# KiCad board board.kicad_pcb (continued)
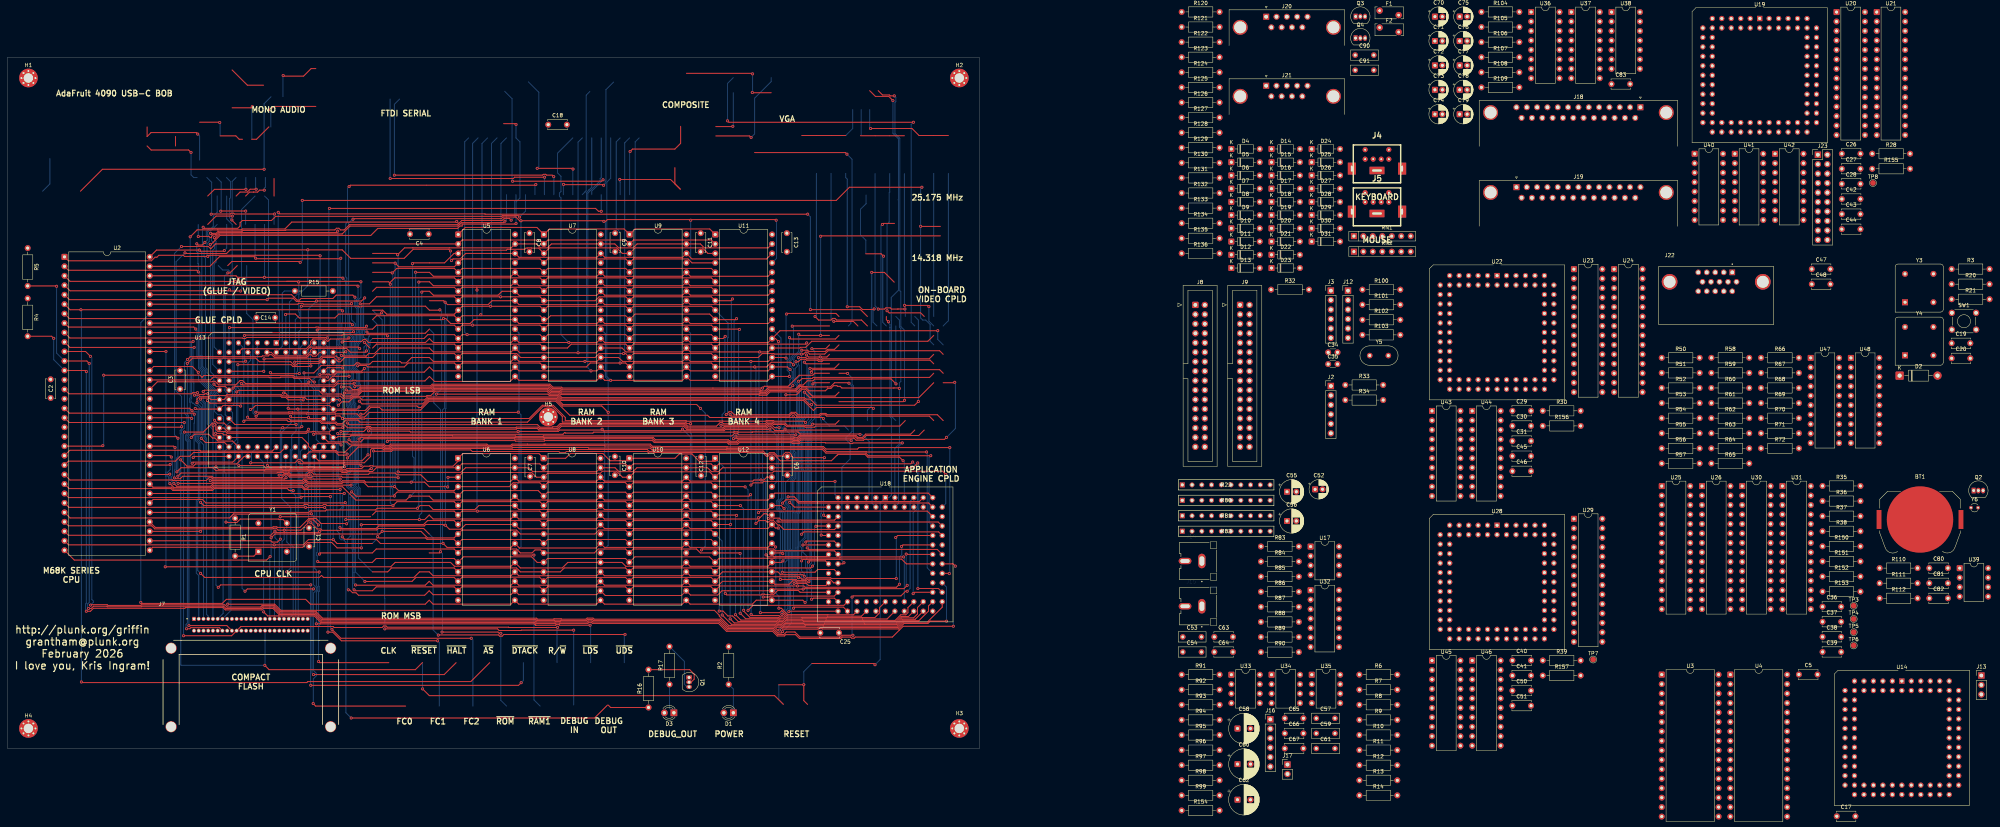
[diagram p0: board, top side]
## Nets (continued)
HDR_TXD_B: J12.4 R101.1
HP_L: C58.2
HP_R: C60.2
IDX0: U19.16 U40.1 U41.1 U42.1
IDX1: U19.24 U40.15 U41.15 U42.15
IDX2: U19.27 U40.14 U41.14 U42.14
IDX3: U19.33 U40.13 U41.13 U42.13
JOYSTICK_1_DOWN: R121.2 RN1.3 U14.12
JOYSTICK_1_FIRE: R124.2 RN1.6 U14.40
JOYSTICK_1_LEFT: R122.2 RN1.4 U14.51
JOYSTICK_1_PIN5: C91.1 Q4.3 R125.2 R135.2 U14.5
JOYSTICK_1_PIN9: C90.1 Q3.3 R126.2 R134.2 U14.39
JOYSTICK_1_RIGHT: R123.2 RN1.5 U14.35
JOYSTICK_1_UP: R120.2 RN1.2 U14.9
JOYSTICK_2_DOWN: R128.2 RN2.3 U14.11
JOYSTICK_2_FIRE: R131.2 RN2.6 U14.4
JOYSTICK_2_LEFT: R129.2 RN2.4 U14.50
JOYSTICK_2_PIN5: R132.2 R136.2 U14.8
JOYSTICK_2_PIN9: R133.2 RN2.7 U14.37
JOYSTICK_2_RIGHT: R130.2 RN2.5 U14.36
JOYSTICK_2_UP: R127.2 RN2.2 U14.10
JTAG_TCK: J2.1 U13.62 U14.62 U18.62 U19.62 U22.62 U28.62
JTAG_TDI: J2.3 U13.14
JTAG_TDO: J2.4 U22.71
JTAG_TMS: J2.2 U13.23 U14.23 U18.23 U19.23 U22.23 U28.23
LINE_L: C55.2 J16.1 R89.1
LINE_R: C56.2 J16.4 R90.1
PADDLE_DUMP: Q3.2 Q4.2 U14.33
PADDLE_TICK: U14.44 U19.60
PIXEL_CLK: U19.83 U22.83 U28.83 Y3.5
PIXEL_TO_COMPOSITOR_TD: U19.71 U22.14
PIXELS_Q0: U19.56 U21.9
PIXELS_Q1: U19.36 U21.10
PIXELS_Q2: U19.35 U21.11
PIXELS_Q3: U19.39 U21.12
PIXELS_Q4: U19.18 U21.16
PIXELS_Q5: U19.17 U21.17
PIXELS_Q6: U19.29 U21.18
PIXELS_Q7: U19.10 U21.19
PIXELS_Q8: U19.22 U20.9
PIXELS_Q9: U19.21 U20.10
PIXELS_Q10: U19.31 U20.11
PIXELS_Q11: U19.9 U20.12
PIXELS_Q12: U19.40 U20.16
PIXELS_Q13: U19.41 U20.17
PIXELS_Q14: U19.51 U20.18
PIXELS_Q15: U19.49 U20.19
PORTS_TO_AUDIO_TD: U14.71 U28.14
PS2_CLK: J4.5 U13.24
PS2_DATA: J4.1 U13.79
PS2_MOUSE_CLK: J5.5 U14.81
PS2_MOUSE_DATA: J5.1 U14.80
R/~{W}: J7.35 J8.24 R10.2 U2.9 U13.11 U14.25 U18.27
RGB_IN0: U22.22 U40.5
RGB_IN1: U22.6 U40.7
RGB_IN2: U22.8 U40.9
RGB_IN3: U22.21 U40.11
RGB_IN4: U22.20 U41.5
RGB_IN5: U22.18 U41.7
RGB_IN6: U22.29 U41.9
RGB_IN7: U22.16 U41.11
RGB_IN8: U22.17 U42.5
RGB_IN9: U22.15 U42.7
RGB_IN10: U22.30 U42.9
RGB_IN11: U22.31 U42.11
RGB_OUT0: U22.64 U48.5
RGB_OUT1: U22.65 U48.4
RGB_OUT2: U22.67 U48.3
RGB_OUT3: U22.63 U48.2
RGB_OUT4: U22.48 U47.9
RGB_OUT5: U22.46 U47.8
RGB_OUT6: U22.57 U47.7
RGB_OUT7: U22.44 U47.6
RGB_OUT8: U22.45 U47.5
RGB_OUT9: U22.61 U47.4
RGB_OUT10: U22.58 U47.3
RGB_OUT11: U22.60 U47.2
RI_B: R109.2 U38.6
RTC_MFP: R112.2 U39.7
RTC_SCL: R111.2 U39.6
RTC_SDA: Q2.3 R110.2 U39.5
RTC_SDA_DRIVE: Q2.2
S2: J7.S2
S3: J7.S3
S4: J7.S4
SAMPLE0_Q0: R22.9 U25.9
SAMPLE0_Q1: R22.8 U25.10
SAMPLE0_Q2: R22.7 U25.11
SAMPLE0_Q3: R22.6 U25.12
SAMPLE0_Q4: R22.5 U25.16
SAMPLE0_Q5: R22.4 U25.17
SAMPLE0_Q6: R22.3 U25.18
SAMPLE0_Q7: R22.2 U25.19
SAMPLE1_Q0: R80.9 U26.9
SAMPLE1_Q1: R80.8 U26.10
SAMPLE1_Q2: R80.7 U26.11
SAMPLE1_Q3: R80.6 U26.12
SAMPLE1_Q4: R80.5 U26.16
SAMPLE1_Q5: R80.4 U26.17
SAMPLE1_Q6: R80.3 U26.18
SAMPLE1_Q7: R80.2 U26.19
SAMPLE2_Q0: R81.9 U30.9
SAMPLE2_Q1: R81.8 U30.10
SAMPLE2_Q2: R81.7 U30.11
SAMPLE2_Q3: R81.6 U30.12
SAMPLE2_Q4: R81.5 U30.16
SAMPLE2_Q5: R81.4 U30.17
SAMPLE2_Q6: R81.3 U30.18
SAMPLE2_Q7: R81.2 U30.19
SAMPLE3_Q0: R82.9 U31.9
SAMPLE3_Q1: R82.8 U31.10
SAMPLE3_Q2: R82.7 U31.11
SAMPLE3_Q3: R82.6 U31.12
SAMPLE3_Q4: R82.5 U31.16
SAMPLE3_Q5: R82.4 U31.17
SAMPLE3_Q6: R82.3 U31.18
SAMPLE3_Q7: R82.2 U31.19
set_pix_commit: U19.44 U22.4
set_pix_target0: U19.20 U22.81
set_pix_target1: U19.8 U22.80
set_pix_target2: U19.45 U22.25
set_pix_valid: U19.25 U22.24
set_pix_value0: U19.48 U22.69 U40.4
set_pix_value1: U19.46 U22.55 U40.6
set_pix_value2: U19.12 U22.56 U40.10
set_pix_value3: U19.11 U22.54 U40.12
set_pix_value4: U22.79 U41.4
set_pix_value5: U22.70 U41.6
set_pix_value6: U22.77 U41.10
set_pix_value7: U22.27 U41.12
set_pix_value8: U22.75 U42.4
set_pix_value9: U22.76 U42.6
set_pix_value10: U22.74 U42.10
set_pix_value11: U22.73 U42.12
SYSCLK: R32.2 U2.15 U13.83 U14.83 U18.83 Y1.5
UART_RX_A: R100.2 R104.2 U36.12
UART_RX_B: R101.2 R105.2 U37.12
UART_TX_A: J3.5 U36.11
UART_TX_B: J12.5 U37.11
VGA_HSYNC: U19.4 U48.6
VGA_VSYNC: U19.6 U48.7
VIDCMD_Q0: U22.68 U24.9
VIDCMD_Q1: U22.36 U24.10
VIDCMD_Q2: U22.40 U24.11
VIDCMD_Q3: U22.39 U24.12
VIDCMD_Q4: U22.41 U24.16
VIDCMD_Q5: U22.35 U24.17
VIDCMD_Q6: U22.37 U24.18
VIDCMD_Q7: U22.9 U24.19
VIDCMD_Q8: U22.51 U23.9
VIDCMD_Q9: U22.10 U23.10
VIDCMD_Q10: U22.49 U23.11
VIDCMD_Q11: U22.50 U23.12
VIDCMD_Q12: U22.33 U23.16
VIDCMD_Q13: U22.52 U23.17
VIDCMD_Q14: U22.11 U23.18
VIDCMD_Q15: U22.12 U23.19
~{AS}: J8.18 R8.2 U2.6 U13.1 U18.80
~{AUDCTL_FIFO_W}: R157.1 U18.37
~{BERR}: U2.22 U13.61
~{BGACK}: R5.2 U2.12 U18.29
~{BG}: U2.11 U18.21
~{BR}: R4.2 U2.13 U18.24
~{CF_CS0}: J7.32 U13.18
~{CF_CS1}: J7.07 U13.20
~{CLUT_WE}: U19.58 U40.3 U41.3 U42.3
~{CONTROL_EF}: TP7.1 U28.11 U29.21
~{CONTROL_R}: R39.2 U28.81
~{CTS_A}: R102.2 R106.2 U36.9
~{CTS_B}: R103.2 R107.2 U37.9
~{DTACK}: J8.26 U2.10 U13.15
~{DUART_DTACK}: U13.51
~{DUART_IRQ}: U13.48
~{DUART_SELECT}: U13.21
~{ENGINE_IRQ}: U13.29 U18.33
~{ENGINE_SELECT}: U13.60 U18.18
~{HALT}: J8.30 R7.2 U2.17 U13.41
~{IPL0}: U2.25 U13.80
~{IPL1}: U2.24 U13.57
~{IPL2}: U2.23 U13.56
~{LDS}: J8.22 R13.2 U2.8 U3.24 U13.12 U14.2 U18.63
~{PIXELS_FIFO_W}: R155.1 U18.34
~{PIXELS_RE}: R28.1 U19.15
~{PORTS_IRQ}: U13.65 U14.17
~{PORTS_SELECT}: U13.16 U14.49
~{RAM_SELECT_1}: U5.22 U6.22 U13.22
~{RAM_SELECT_2}: U7.22 U8.22 U13.58
~{RAM_SELECT_3}: U9.22 U10.22 U13.76
~{RAM_SELECT_4}: U11.22 U12.22 U13.75
~{RESET}: D2.2 J7.41 J8.28 R3.2 U2.18 U13.54 U14.6 U18.1 U19.1 U25.22 U26.22 U28.22 U29.22 U30.22 U31.22
~{ROM_SELECT}: U3.22 U4.22 U13.17
~{ROM_WE}: U3.31 U4.31 U13.77
~{RS}: U19.5 U20.22 U21.22 U22.1 U23.22 U24.22
~{RTS_A}: J3.2 U36.10
~{RTS_B}: J12.2 U37.10
~{R}/W: J7.34 U13.27
~{SAMPLE_EF0}: TP3.1 U25.21 U28.9
~{SAMPLE_EF1}: TP4.1 U26.21 U28.8
~{SAMPLE_EF2}: TP5.1 U28.6 U30.21
~{SAMPLE_EF3}: TP6.1 U28.10 U31.21
~{SAMPLE_R0}: R35.2 U28.16
~{SAMPLE_R1}: R36.2 U28.27
~{SAMPLE_R2}: R37.2 U28.34
~{SAMPLE_R3}: R38.2 U28.5
~{SAMPLES0_FIFO_W}: R150.1 U18.35
~{SAMPLES1_FIFO_W}: R151.1 U18.40
~{SAMPLES2_FIFO_W}: R152.1 U18.41
~{SAMPLES3_FIFO_W}: R153.1 U18.39
~{SUPERVISOR_RESET}: D2.1 SW1.2 U13.84
~{UDS}: J8.20 R12.2 U2.7 U4.24 U13.67 U18.79
~{VIDCMD_EF}: U22.34 U24.21
~{VIDCMD_FIFO_W}: R156.1 U18.36
~{VIDCMD_RE}: R30.1 U22.28
~{VPA}: R14.2 U2.21 U13.55
~{VSYNC_IRQ}: U13.68 U19.28
~{WRITE_HI}: U6.29 U8.29 U10.29 U12.29 U13.74
~{WRITE_LO}: U5.29 U7.29 U9.29 U11.29 U13.25
Net-(BT1-+): BT1.1
Net-(D1-K): D1.1 R2.1
Net-(D3-K): D3.1 R17.1
Net-(Q1-B): Q1.2 R16.2
Net-(Q1-C): Q1.3 R17.2
Net-(TP2-Pad1): U13.64
Net-(U13-INPUT/OE2/GCLK2): R15.1 U13.2
Net-(U25-RD): R35.1 U25.15
Net-(U26-RD): R36.1 U26.15
Net-(U27-X1/CLK): C35.2 Y5.1
Net-(U27-X2): C34.1 Y5.2
Net-(U29-RD): R39.1 U29.15
Net-(U30-RD): R37.1 U30.15
Net-(U31-RD): R38.1 U31.15
Net-(Y1-EN): R1.2 Y1.1

Pads without a net: J3 3; J4 2 6; J5 2 6; J7 24 25 26 33 40 43 44 45 46 S1; J8 4 5 6 7 8 32; J9 4 5 6 7 8; J12 3; J18 0 1 9 10 11 12 13 14 15 16 17 18 19 21 22 23 24 25; J19 0 1 9 10 11 12 13 14 15 16 17 18 19 21 23 24 25; J20 0; J21 0; J22 4 9 11 12 15; RN1 7; U2 19 20; U14 1 45 46 48 52 54 55 56 57 58 60 61 63 64 65 67 68 69 70 73 74 75 76 77 79 84; U18 84; U19 84; U20 8 13 20 21; U21 8 13 20 21; U22 2 84; U23 8 13 20 21; U24 8 13 20; U25 8 13 20; U26 8 13 20; U28 1 2 17 18 20 21 28 29 36 44 45 46 48 49 50 51 52 54 55 56 57 58 60 61 63 64 65 67 68 69 70 73 74 75 76 77 79 80 84; U29 8 13 20; U30 8 13 20; U31 8 13 20; U33 1 7 8; U34 1 7 8; U35 1 7 8; U38 2 5 8 9 11 12; U48 11 12

## Via types
v1: diameter 0.8, hole 0.4, Top to Bottom, 532 vias

## Routing (per net, layer and track width the routed paths; a pad name or vN(x,y) marks a point on that pad's centre or on a via; arc(x,y) is an arc through that point)
+5V: length 28.8
  In2.Cu w0.4: 235.67,85.5 231.7,81.54 229.45,81.54 229.47,81.56 229.47,86.62 228.05,88.05 ; 246.4,104.47 249.73,104.47 250.9,103.28 ; 219.15,112.17 221.69,112.17 224.12,114.61 224.12,117.42
GND: length 122.5
  In1.Cu w0.25: U18.47 238.87,35.27 234.12,35.27 234.12,38.16 U18.42 ; 68.3,76.74 68.3,79.71 U13.42 70.9,79.62 70.9,76.94 ; 233.12,88.05 234.4,86.77 239.49,86.77 240.75,85.5 ; U18.19 221.46,58.44 205.81,58.44 U12.24 ; 220.43,88.05 218.48,90 218.48,103.42 219.68,104.62 221.75,104.62 222.96,105.83 ; U18.7 224.52,70.62 224.52,77.8 ; 228.05,115.99 228.93,115.11 228.93,114.92 229.23,114.62 229.23,111.94 230.05,111.12 233.9,111.12 234.23,111.44 238.74,111.44 240.75,113.45 ; U18.82 241.79,63.52 249.41,63.52 U18.72 ; 65.78,105.49 65.78,107.61 U13.7 63.22,107.65 63.22,105.39 ; 78.38,110.06 78.38,107.56 U13.82
(no net): length 2151
  Top w0.25: 37.44,161.75 38.53,160.67 48.57,160.67 v1(49.22,160.02) ; 204.78,176.04 199.77,176.04 v1(199.73,176.09) ; v1(216.55,115.97) 217.49,115.02 220.81,115.02 221.25,115.47 221.9,115.47 222.34,115.02 229.01,115.02 230.58,113.45 ; v1(193.07,168.49) 193.45,168.12 v1(242.93,168.12) ; 237.77,125.19 235.15,127.81 v1(231.75,127.81) ; v1(144.03,153.37) 135.99,153.37 135.64,153.02 v1(102.62,153.02) ; 94.34,93.26 95.06,92.53 111.32,92.53 112.79,93.99 147.31,93.99 148.97,92.34 184.8,92.34 185.82,91.31 ; v1(199.8,181.09) 199.65,181.24 182.06,181.24 ; v1(240.65,117.99) 238.79,117.99 238.76,117.97 237.05,117.97 236.72,118.29 235.53,118.29 235.21,117.97 v1(233.5,117.97) ; v1(56.93,168.04) 56.84,168.12 51.53,168.12 ; 60.25,182.15 64.33,178.06 68.68,178.06 ; 222.7,52.12 221.74,53.08 205.9,53.08 205.41,53.58 186.36,53.58 186.1,53.32 ; v1(166.95,160.27) 167.6,160.92 178.95,160.92 180.5,162.47 180.5,167.02 ; v1(73.93,180.67) 74.1,180.49 79.4,180.49 81.43,182.52 82.68,182.52 ; 237.85,140.97 234.88,140.97 v1(234.6,140.69) ; v1(225.1,159.54) 224.67,159.98 200.34,159.98 ; 59.4,101.28 68.71,101.28 68.72,101.27 ; v1(146.47,153.52) 146.07,153.92 144.57,153.92 144.35,154.14 143.7,154.14 143.48,153.92 v1(103.75,153.92) ; v1(194.5,167.02) 194.43,166.94 189.95,166.94 ; v1(135.45,152.29) 159.32,152.29 v1(159.7,152.67) ; 245.82,115.99 244.86,116.95 236.42,116.95 v1(235.85,117.52) ; 228.05,113.45 226.85,114.64 221.62,114.64 v1(221.57,114.69) ; 63.02,163.54 62.15,163.54 61.22,164.47 57.03,164.47 ; v1(71.62,143.49) 60.83,143.49 60.61,143.71 59.97,143.71 59.76,143.49 54.68,143.49 v1(54.62,143.44) ; 61.32,148.31 62.37,149.37 64.3,149.37 65.07,150.14 v1(66.68,150.14) ; v1(199.4,164.04) 199,164.44 189.95,164.44 ; 63.86,148.31 64.91,149.37 65.96,149.37 65.96,149.37 67.08,149.37 67.6,149.89 v1(68.88,149.89) ; v1(151.65,155.54) 151.45,155.74 v1(142.05,155.74) ; 240.5,164.5 228.71,164.5 ; 70.1,166.87 66.78,163.54 65.52,163.54 ; 37.44,166.82 37.44,164.29 38.5,165.34 50.63,165.34 v1(51.03,164.94) ; 71.48,148.31 71.48,153 ; 232.18,91.31 231.94,91.55 216.93,91.55 216.12,90.74 213.43,93.44 148.4,93.44 147.47,94.37 112.63,94.37 111.85,93.59 95.1,93.59 94.53,94.17 92.65,94.17 91.55,93.06 89.62,93.06 88.72,92.17 ; 53.7,148.31 55.5,150.12 v1(63.95,150.12) ; 224.77,164.55 212.98,164.55 ; 178.95,155.92 178.95,151.61 180.4,150.16 177.8,152.77 v1(164.18,152.77) ; 53.7,140.7 55.94,142.93 v1(60.29,142.93) ; 68.68,104.62 83.58,104.62 84.32,105.35 88.19,105.35 88.93,104.62 ; 61.32,140.7 60.17,141.84 v1(60.17,141.89) ; 252.3,164.55 244.44,164.55 242.55,166.44 v1(231.43,166.44) ; 250.64,49.58 253.56,49.58 254.16,48.98 ; 60.25,171.99 65.32,171.99 v1(65.65,172.31) ; 95.69,102.04 94.94,101.28 87.34,101.28 ; v1(159.86,151.2) 159.7,151.37 149.18,151.37 v1(149.1,151.44) ; v1(63.88,144.27) 63.85,144.29 57.23,144.29 v1(57.18,144.24) ; v1(225.18,118.59) 228.51,118.59 229.24,117.87 232.25,117.87 v1(232.4,118.02) ; v1(240.55,118.97) 246.75,118.97 v1(247.07,118.64) ; 82.68,172.36 71.37,172.36 v1(70.5,171.49) ; 68.69,36.7 69.79,35.61 72.68,35.61 72.68,35.6 82.28,35.6 84.02,33.87 141.41,33.87 141.66,33.61 146.94,33.61 147.05,33.72 148,33.72 148.11,33.61 155.62,33.61 155.9,33.89 156.55,33.89 156.83,33.61 190.68,33.61 192.82,31.47 205.17,31.47 206.4,30.24 208.32,30.24 208.67,30.59 211.33,30.59 212.35,29.57 223.47,29.57 223.85,29.94 226.07,29.94 226.38,29.64 227.02,29.64 227.33,29.94 237.28,29.94 239.16,31.82 239.16,31.82 240.18,32.84 253.62,32.84 ; 45.06,161.75 45.06,164.29 ; 19.58,149.62 25.46,155.49 v1(68.82,155.49)
  Bottom w0.25: v1(144.03,153.37) 143.97,153.31 143.97,148.68 ; v1(70.5,171.49) 70.62,171.37 70.62,166.87 ; 236.57,154.34 236.57,149.33 236.42,149.18 236.42,141.32 235.85,140.75 v1(235.85,117.52) ; v1(225.18,118.59) 225.18,152.84 224.77,153.25 224.77,154.39 ; 88.72,92.17 88.38,92.51 88.38,100.43 88.68,100.73 88.68,104.37 88.93,104.62 ; v1(71.62,143.49) 71.48,143.34 71.48,140.7 ; v1(199.73,176.09) 199.8,176.17 v1(199.8,181.09) ; 53.46,153.29 54.75,152 54.75,143.57 v1(54.62,143.44) ; 102.61,174.34 102.61,153.03 v1(102.62,153.02) ; 50.84,153.29 49.93,153.29 49.22,154 v1(49.22,160.02) ; v1(57.18,144.24) 57.3,144.36 57.3,152.07 56.08,153.29 ; 70.68,174.97 68.82,173.12 v1(68.82,155.49) ; 61.31,153.29 60.26,152.24 60.26,142.96 v1(60.29,142.93) ; v1(231.75,127.81) 231.75,118.46 231.62,118.34 231.62,91.86 230.58,90.82 230.58,88.05 ; 194.62,180.09 193.07,178.55 v1(193.07,168.49) ; v1(103.75,153.92) 103.75,172.94 105.15,174.34 ; v1(65.65,172.31) 65.52,172.18 65.52,163.54 ; 133.34,176.41 135.3,174.44 135.3,152.44 v1(135.45,152.29) ; 225.5,113.45 226.15,114.09 226.15,114.51 226.47,114.83 226.47,158.17 v1(225.1,159.54) ; 233.12,85.5 234.22,86.6 234.22,140.31 v1(234.6,140.69) ; 232.18,91.31 231.83,90.97 231.83,65.86 232.87,64.82 ; 186.1,53.32 187.11,54.32 187.11,90.03 185.82,91.31 ; v1(51.03,164.94) 51.53,164.44 51.53,157.96 ; v1(63.88,144.27) 63.86,144.25 63.86,140.7 ; 11.38,158.42 11.38,151.56 9.42,149.62 ; v1(194.5,167.02) 194.62,167.13 194.62,176.04 ; v1(159.7,152.67) 156.68,149.64 156.68,148.68 ; 248.37,154.39 248.37,115.99 ; v1(216.55,115.97) 216.91,116.33 216.91,154.39 ; v1(60.17,141.89) 59.6,142.46 59.6,147.65 59.83,147.88 59.83,152.15 58.69,153.29 ; 94.34,93.26 95.69,94.61 95.69,102.04 ; v1(233.5,117.97) 232.64,118.82 232.64,154.34 ; v1(231.43,166.44) 231.2,166.67 231.2,171.51 ; v1(232.4,118.02) 232.09,117.7 232.09,114.48 233.12,113.45 ; 139.69,178.95 142.49,176.15 142.49,156.18 v1(142.05,155.74) ; 156.17,176.36 155.19,175.38 155.19,149.74 154.87,149.42 154.87,149.41 154.13,148.68 ; 252.3,154.39 252.3,114.84 250.9,113.45 ; v1(146.47,153.52) 146.51,153.48 146.51,148.68 ; 68.72,101.27 68.8,101.34 68.8,104.62 ; v1(151.65,155.54) 151.59,155.49 151.59,148.68 ; v1(56.93,168.04) 57.03,167.94 57.03,164.47 ; 204.78,180.09 204.78,179.02 200.34,174.58 200.34,164.98 v1(199.4,164.04) ; 66.54,153.29 66.54,150.28 v1(66.68,150.14) ; 254.16,48.98 253.62,48.44 253.62,32.84 ; 67.02,78.43 68.69,76.75 68.69,36.7 ; 164.3,148.68 164.3,152.05 164.18,152.17 v1(164.18,152.77) ; v1(247.07,118.64) 247.07,114.74 248.37,113.45 ; v1(240.55,118.97) 240.5,119.01 240.5,154.34 ; 243.29,113.45 242.32,114.41 242.32,167.51 v1(242.93,168.12) ; 73.88,174.97 73.88,180.62 v1(73.93,180.67) ; 63.93,153.29 63.93,150.14 v1(63.95,150.12) ; v1(221.57,114.69) 220.84,115.43 220.84,154.39 ; 149.06,148.68 149.06,151.4 v1(149.1,151.44) ; 166.83,148.68 166.83,160.15 v1(166.95,160.27) ; 240.75,115.99 240.75,117.9 v1(240.65,117.99) ; 69.16,153.29 69.16,150.72 68.88,150.44 v1(68.88,149.89) ; 162.52,178.9 160.48,176.86 160.48,152.34 160.27,152.14 160.27,151.61 v1(159.86,151.2) ; 228.92,171.51 228.92,164.7 ; 226.64,171.51 226.64,166.41 224.77,164.55
A1: length 573.5
  Top w0.25: U2.29 16.34,59.81 38.67,59.81 39.49,58.99 71.24,58.99 71.41,59.16 72.05,59.16 72.56,58.64 v1(74.21,58.64) 78.68,58.64 80.57,60.53 80.57,60.95 81.02,61.4 82.03,61.4 v1(83.4,60.03) ; v1(83.2,50.19) 83.41,49.99 97.84,49.99 98.89,51.04 119.76,51.04 U6.12 122.3,51.47 140.55,51.47 142.03,49.99 U8.12 144.84,51.04 165.7,51.04 U10.12 168.24,51.47 188.24,51.47 U12.12 190.84,51.09 205.56,51.09 205.62,51.16 223.1,51.16 223.39,51.44 v1(240.27,51.44) ; v1(96.68,78.87) 95.05,77.24 83.44,77.24 82.26,78.43 ; v1(191.32,86.77) 191.36,86.8 203.32,86.8 203.81,87.29 205.07,87.29 205.38,86.99 208.35,86.99 208.93,86.41 213.73,86.41 213.86,86.29 216.43,86.29 216.7,86.56 239.26,86.56 240.75,88.05 ; 97.9,110.06 111.65,110.06 112.7,111.11 119.82,111.11 U5.12 121.93,111.11 v1(123.25,111.11) 142.79,111.11 U7.12 144.9,111.11 165.76,111.11 U9.12 167.87,111.11 188.74,111.11 U11.12 191.87,110.06 v1(192.45,110.64)
  Bottom w0.25: 240.49,39.42 240.49,51.23 v1(240.27,51.44) ; v1(96.68,78.87) 96.68,83.51 97.57,84.41 97.57,85.61 96.85,86.34 96.85,106.21 97.05,106.42 97.05,106.87 96.85,107.08 96.85,107.95 97.22,108.33 97.22,109.38 97.9,110.06 ; 123.66,163.92 122.6,162.86 122.6,111.76 v1(123.25,111.11) ; 82.26,78.43 82.26,74.03 82.93,73.36 82.93,60.5 v1(83.4,60.03) 83.05,59.68 83.05,52.71 82.88,52.54 82.88,51.89 83.05,51.72 83.05,50.34 v1(83.2,50.19) ; v1(191.32,86.77) 191.62,87.07 191.62,89.63 192.38,90.38 192.38,110.56 v1(192.45,110.64) ; J7.20 73.62,35.35 73.62,55.57 74.21,56.16 v1(74.21,58.64)
A2: length 585.4
  Top w0.25: 243.29,85.5 242.18,84.4 230.11,84.4 229.24,83.53 228.05,83.53 227.52,84.06 212.33,84.06 211.71,83.44 211.07,83.44 210.86,83.65 195.55,83.65 v1(195.32,83.88) ; v1(196.25,112.52) 196.17,112.59 U11.11 188.74,113.65 167.87,113.65 U9.11 165.76,113.65 144.9,113.65 U7.11 142.78,113.67 v1(124.72,113.67) 121.94,113.67 U5.11 119.82,113.65 98.95,113.65 97.9,112.59 83.31,112.59 v1(83.05,112.34) ; v1(83.65,52.22) 83.96,52.53 97.84,52.53 98.89,53.58 119.76,53.58 U6.11 121.87,53.58 136.49,53.58 137.54,52.53 140.66,52.53 141.46,53.32 142.99,53.32 U8.11 157.36,52.53 158.41,53.58 165.7,53.58 U10.11 167.81,53.58 184.74,53.58 185.8,52.53 U12.11 196.31,52.53 v1(196.45,52.39) ; v1(83.72,58.31) 83.39,57.98 72.13,57.98 v1(71.73,58.38) 70.61,57.27 16.34,57.27 U2.30 ; 243.02,36.88 241.62,35.47 239.61,35.47 238.17,34.03 229.61,34.03 229.61,34.03 219.25,34.03 219.2,34.08 213.48,34.08 213.36,33.95 208.57,33.95 208.05,34.47 207.03,34.47 206.64,34.86 197.95,34.86 v1(196.47,36.34)
  Bottom w0.25: v1(71.73,58.38) 71.73,56.59 72.88,55.43 J7.19 ; 126.19,163.92 124.72,162.44 v1(124.72,113.67) ; v1(195.32,83.88) 196.05,84.61 196.05,112.31 v1(196.25,112.52) ; v1(83.05,112.34) 83.46,111.93 83.46,101.19 83.02,100.76 83.02,100.05 82.14,99.17 81.95,99.17 81.49,98.72 81.49,97.83 82.6,96.72 82.6,84.96 82.8,84.76 82.8,82.96 84.8,80.97 83.72,79.89 83.72,60.8 84.18,60.35 84.18,58.77 v1(83.72,58.31) 83.72,52.29 v1(83.65,52.22) ; v1(196.47,36.34) 196.6,36.46 196.6,52.24 v1(196.45,52.39)
A3: length 595.3
  Top w0.25: v1(194.65,83.19) 195.69,83.19 195.77,83.27 210.7,83.27 210.91,83.06 211.87,83.06 212.49,83.69 227.37,83.69 227.9,83.16 229.4,83.16 230.27,84.03 244.35,84.03 245.82,85.5 ; 245.56,36.88 243.4,34.72 239.92,34.72 238.48,33.28 229.92,33.28 229.92,33.27 218.94,33.27 218.89,33.33 213.8,33.33 213.67,33.2 208.26,33.2 207.74,33.72 206.71,33.72 206.32,34.11 195.93,34.11 194.43,35.61 193.18,35.61 191.88,36.92 v1(190.85,36.92) ; U2.31 16.38,54.69 v1(71.53,54.69) 79.29,54.69 80.69,56.08 v1(87.35,56.08) 88.36,55.06 97.84,55.06 ; v1(195.5,115.39) 195.25,115.14 U11.10 188.3,116.62 168.3,116.62 U9.10 165.76,116.19 145.62,116.19 144.57,115.14 U7.10 142.79,116.19 121.93,116.19 U5.10 119.82,116.19 98.95,116.19 97.9,115.14 ; U12.10 188.68,56.12 167.81,56.12 U10.10 165.7,56.12 144.84,56.12 U8.10 142.73,56.12 121.87,56.12 U6.10 119.7,56.18 112.49,56.18 112.11,56.55 99.61,56.55 v1(99.27,56.89)
  Bottom w0.25: v1(71.53,54.69) 71.61,54.6 J7.18 ; 97.9,115.14 99.27,113.77 v1(99.27,56.89) 99.27,56.5 97.84,55.06 ; U12.10 190.85,53.95 v1(190.85,36.92) ; v1(87.35,56.08) 87.34,56.09 87.34,80.97 ; v1(194.65,83.19) 194.65,84.85 194.82,85.03 194.82,114.72 v1(195.5,115.39) ; v1(126.93,116.47) 127.25,116.79 127.25,162.43 128.74,163.92
A4: length 641.7
  Top w0.25: v1(70.7,56.59) 71.72,57.61 99.76,57.61 v1(100.47,58.31) 110.88,58.31 112.64,56.55 119.76,56.55 U6.9 121.87,58.66 136.49,58.66 137.54,57.61 U8.9 157.54,57.61 158.59,58.66 165.7,58.66 U10.9 167.81,58.66 188.68,58.66 U12.9 ; 250.64,39.42 250.64,37.95 246.66,33.97 240.24,33.97 238.77,32.5 218.65,32.5 218.58,32.57 217.33,32.57 217.2,32.45 207.94,32.45 207.42,32.96 206.4,32.96 206.01,33.35 194.16,33.35 v1(191.65,35.87) ; U11.9 188.74,118.73 167.87,118.73 U9.9 165.76,118.73 144.9,118.73 U7.9 142.79,118.73 v1(129.55,118.73) 121.93,118.73 U5.9 119.79,116.59 101.7,116.59 100.61,117.68 97.9,117.68 ; 250.9,88.05 249.33,89.62 219.8,89.62 219.45,89.96 217.98,89.96 217.64,89.62 211.97,89.62 211.33,90.26 210.2,90.26 209.55,89.62 194.89,89.62 194.1,90.42 193.51,90.42 v1(192.73,89.64) ; v1(70.43,51.54) 69.49,50.61 17.92,50.61 U2.32 ; v1(70.49,100.92) 70.79,100.62 78.21,100.62 v1(78.26,100.67)
  Bottom w0.25: v1(100.47,58.31) 100.47,115.1 97.9,117.68 ; v1(191.65,35.87) 191.65,41.12 191.62,41.14 191.62,55.71 U12.9 ; U11.9 193.23,114.24 193.23,110.32 193.09,110.18 193.09,90 v1(192.73,89.64) ; 131.28,163.92 129.79,162.43 129.79,118.97 v1(129.55,118.73) ; J7.17 70.34,51.46 v1(70.43,51.54) 70.7,51.81 v1(70.7,56.59) 70.7,75.5 70.65,75.55 70.65,100.76 v1(70.49,100.92) ; v1(78.26,100.67) 78.45,100.85 78.45,105.74 78.52,105.81 78.52,107.71 79.72,108.91
A5: length 543.4
  Top w0.25: 248.37,88.05 247.17,89.24 219.64,89.24 219.3,89.59 218.14,89.59 217.8,89.24 211.64,89.24 211,89.89 210.35,89.89 209.71,89.24 194.17,89.24 v1(193.78,89.64) ; 248.11,39.42 246.98,38.3 246.98,36.93 244.39,34.34 240.08,34.34 238.62,32.88 218.81,32.88 218.73,32.95 213.95,32.95 213.83,32.82 208.1,32.82 207.58,33.34 206.56,33.34 206.17,33.73 194.88,33.73 v1(193.78,34.84) ; v1(94.9,53.88) 88.39,53.88 86.97,55.3 80.44,55.3 79.18,54.04 71.97,54.04 71.85,53.91 71.2,53.91 71.08,54.04 38.95,54.04 U2.33 ; v1(94.88,60.06) 94.96,60.15 111.59,60.15 112.64,61.2 119.76,61.2 U6.8 121.87,61.2 142.73,61.2 U8.8 144.84,61.2 165.7,61.2 U10.8 167.81,61.2 188.68,61.2 U12.8 193.86,60.15 v1(193.88,60.17) ; v1(94.57,119.37) 97.05,119.37 98.95,121.27 119.82,121.27 U5.8 121.93,121.27 v1(132.22,121.27) 142.79,121.27 U7.8 157.6,120.22 158.65,121.27 165.76,121.27 U9.8 167.87,121.27 188.74,121.27 U11.8 193.95,120.22 v1(194.43,120.69) ; v1(94.44,107.36) 94.02,107.78 82.85,107.78 82.85,107.78 81.13,107.78 79.72,106.37
  Bottom w0.25: v1(94.88,60.06) 94.9,60.04 v1(94.9,53.88) ; v1(94.57,119.37) 95.05,118.88 95.05,112.5 94.84,112.3 94.84,111.52 94.72,111.4 94.72,109.1 94.15,108.53 94.15,107.65 v1(94.44,107.36) ; v1(193.77,34.84) 193.77,60.06 v1(193.88,60.17) 193.88,89.54 v1(193.78,89.64) 194.1,89.96 194.1,120.37 v1(194.43,120.69) ; v1(132.22,121.27) 132.33,121.37 132.33,162.43 133.81,163.92
A6: length 404.1
  Top w0.25: 97.84,62.69 98.89,63.74 119.76,63.74 U6.7 121.87,63.74 v1(126,63.74) 142.73,63.74 U8.7 144.84,63.74 165.7,63.74 U10.7 167.81,63.74 188.68,63.74 U12.7 195.4,62.69 v1(195.5,62.59) ; 125.85,123.81 142.78,123.81 U7.7 144.9,123.81 165.76,123.81 U9.7 167.88,123.81 188.73,123.81 U11.7 ; 125.85,123.81 125.85,123.12 v1(125.9,123.06) ; 125.85,123.81 121.93,123.81 U5.7 119.82,123.81 98.95,123.81 97.9,122.75 ; v1(73.18,56.23) 72.39,55.44 70.97,55.44 70.63,55.78 U2.34 ; v1(195.2,35.94) 196.65,34.49 206.48,34.49 206.87,34.1 207.89,34.1 208.41,33.58 213.51,33.58 213.64,33.7 219.05,33.7 219.1,33.65 229.77,33.65 229.77,33.65 238.33,33.65 239.77,35.1 242.98,35.1 244.02,36.14 244.02,37.88 245.56,39.42 ; 97.4,62.24 v1(73.14,62.24)
  Bottom w0.25: v1(125.9,123.06) 125.9,63.84 v1(126,63.74) ; v1(73.18,56.23) 73.14,56.28 v1(73.14,62.24) ; v1(195.2,35.94) 195.2,62.29 v1(195.5,62.59)
A7: length 405.3
  Top w0.25: U11.6 188.74,126.35 167.87,126.35 U9.6 165.76,126.35 144.9,126.35 U7.6 142.79,126.35 121.93,126.35 U5.6 119.82,126.35 103.83,126.35 102.65,125.17 v1(102.65,124.64) 102.65,124.87 102.22,125.3 97.9,125.3 ; v1(51.79,58.31) 51.78,58.32 U2.35 ; v1(196.52,65.22) 196.51,65.23 U12.6 188.68,66.28 167.81,66.28 U10.6 165.7,66.28 144.84,66.28 U8.6 142.73,66.28 121.87,66.28 U6.6 119.76,66.28 104.46,66.28 v1(103.38,65.19) 103.34,65.23 85.64,65.23 85.37,65.49 84.73,65.49 84.46,65.23 80.76,65.23 80.45,65.54 79.63,65.54 79.31,65.23 52.67,65.23 v1(51.79,66.1) ; 243.02,39.42 241.45,37.84 241.45,36.48 240.88,35.92 239.52,35.92 238.01,34.41 229.46,34.41 229.45,34.41 219.41,34.41 219.36,34.46 213.33,34.46 213.2,34.33 208.72,34.33 208.21,34.85 207.18,34.85 206.79,35.24 199.08,35.24 197.4,36.92 v1(197.4,37.14)
  Bottom w0.25: v1(197.4,37.14) 197.4,64.34 v1(196.52,65.22) ; v1(102.65,124.64) 102.65,70.79 102.65,70.79 102.65,69.84 102.65,69.84 102.65,65.92 v1(103.38,65.19) ; v1(51.79,66.1) 52.17,65.72 52.17,58.7 v1(51.79,58.31)
A8: length 404.1
  Top w0.25: v1(199.25,68.17) 198.85,67.77 U12.5 188.68,68.82 167.81,68.82 U10.5 165.7,68.82 144.84,68.82 U8.5 142.3,69.25 122.3,69.25 U6.5 119.72,68.86 104.49,68.86 103.78,68.14 v1(103.78,67.79) 103.75,67.77 93.44,67.77 v1(92.3,68.91) ; 97.9,127.84 103,127.84 v1(103.18,127.67) 104.4,128.89 119.82,128.89 U5.5 121.93,128.89 142.79,128.89 U7.5 144.9,128.89 165.76,128.89 U9.5 167.87,128.89 188.74,128.89 U11.5 ; v1(199.4,36.02) 199.7,35.72 206.88,35.72 207.26,35.34 208.25,35.34 208.88,34.71 213.04,34.71 213.17,34.84 219.51,34.84 219.57,34.78 229.3,34.78 229.3,34.79 235.85,34.79 237.94,36.88 ; v1(90.95,60.34) 90.88,60.42 84.11,60.42 82.75,61.78 80.83,61.78 78.42,59.36 72.37,59.36 72.21,59.53 71.25,59.53 71.08,59.36 39.65,59.36 U2.36
  Bottom w0.25: v1(199.4,36.02) 199.4,68.02 v1(199.25,68.17) ; v1(90.95,60.34) 91.5,60.89 91.5,68.12 v1(92.3,68.91) ; v1(103.78,67.79) 103.32,68.24 103.32,69.69 103.03,69.99 103.03,70.64 103.32,70.94 103.32,127.52 v1(103.18,127.67)
A9: length 394.1
  Top w0.25: 205.03,125.3 203.98,124.24 183.11,124.24 U9.27 181,124.24 160.14,124.24 U7.27 158.03,124.24 137.17,124.24 U5.27 135.06,124.24 114.19,124.24 113.14,125.3 110.38,125.3 v1(110.3,125.22) ; v1(207.66,36) 207.89,36.23 209.04,35.08 212.89,35.08 213.02,35.21 219.67,35.21 219.72,35.16 229.14,35.16 229.14,35.16 232.57,35.16 233.83,36.42 233.83,37.84 235.4,39.42 ; v1(208.23,64.47) 207.48,65.23 U12.27 203.92,64.17 183.05,64.17 U10.27 180.94,64.17 160.08,64.17 U8.27 157.97,64.17 137.11,64.17 U6.27 126.39,65.23 125.33,64.17 114.14,64.17 113.08,65.23 110.66,65.23 v1(109.95,64.51) 99.13,64.51 98.69,64.06 85.5,64.06 85.22,63.79 81.18,63.79 80.79,63.4 U2.37